# KiCad board tekskey-rounded.kicad_pcb (continued)
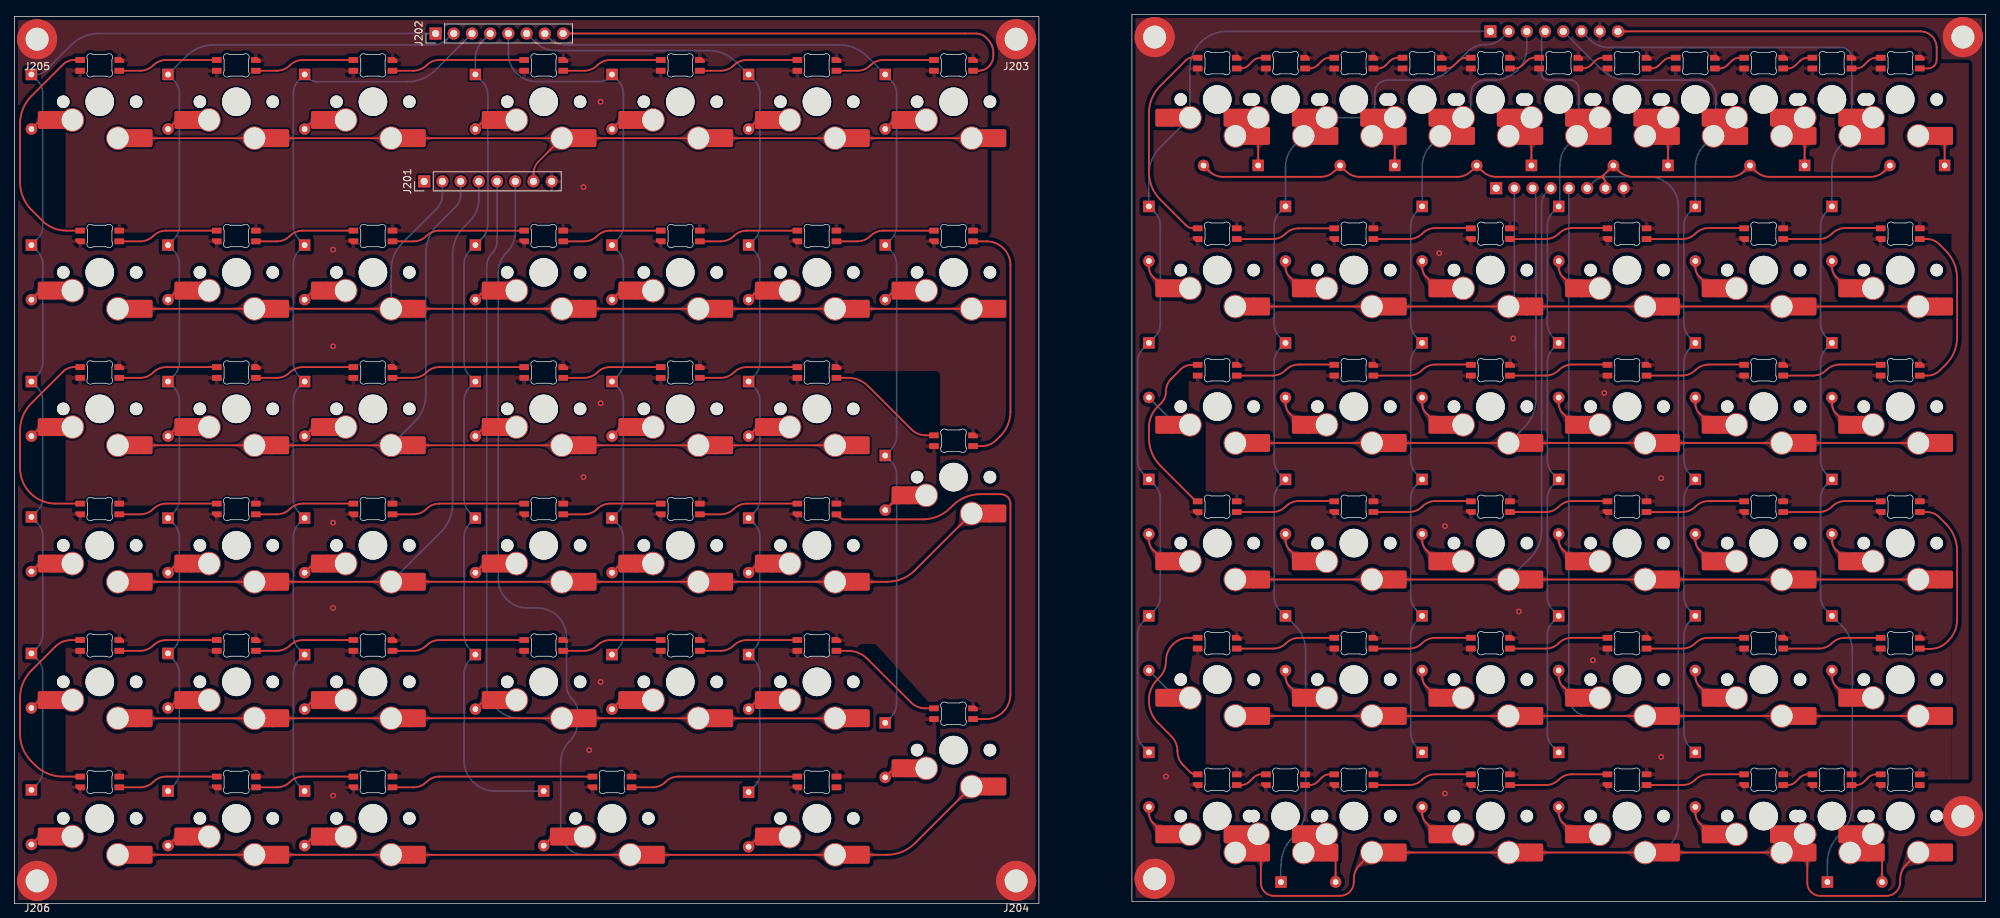
[diagram p0: board, top side]
## Nets (continued)
Net-(D111-Pad2): D111.2 SW111.1
Net-(D112-Pad2): D112.2 SW112.1
Net-(D113-Pad2): D113.2 SW113.1
Net-(D114-Pad2): D114.2 SW114.1
Net-(D115-Pad2): D115.2 SW115.1
Net-(D116-Pad2): D116.2 SW116.1
Net-(D117-Pad2): D117.2 SW117.1
Net-(D118-Pad2): D118.2 SW118.1
Net-(D119-Pad2): D119.2 SW119.1
Net-(D120-Pad2): D120.2 SW120.1
Net-(D121-Pad2): D121.2 SW121.1
Net-(D122-Pad2): D122.2 SW122.1
Net-(D123-Pad2): D123.2 SW123.1
Net-(D124-Pad2): D124.2 SW124.1
Net-(D125-Pad2): D125.2 SW125.1
Net-(D126-Pad2): D126.2 SW126.1
Net-(D127-Pad2): D127.2 SW127.1
Net-(D128-Pad2): D128.2 SW128.1
Net-(D129-Pad2): D129.2 SW129.1
Net-(D130-Pad2): D130.2 SW130.1
Net-(D131-Pad2): D131.2 SW131.1
Net-(D132-Pad2): D132.2 SW51B101.2 SW132.1
Net-(D133-Pad2): D133.2 SW133.1
Net-(D134-Pad2): D134.2 SW134.1
Net-(D135-Pad2): D135.2 SW135.1
Net-(D136-Pad2): D136.2 SW55B101.2 SW136.1
Net-(D201-Pad2): D201.2 SW201.1
Net-(D202-Pad2): D202.2 SW202.1
Net-(D203-Pad2): D203.2 SW203.1
Net-(D204-Pad2): D204.2 SW204.1
Net-(D205-Pad2): D205.2 SW205.1
Net-(D206-Pad2): D206.2 SW206.1
Net-(D207-Pad2): D207.2 SW207.1
Net-(D208-Pad2): D208.2 SW208.1
Net-(D209-Pad2): D209.2 SW209.1
Net-(D210-Pad2): D210.2 SW210.1
Net-(D211-Pad2): D211.2 SW211.1
Net-(D212-Pad2): D212.2 SW212.1
Net-(D213-Pad2): D213.2 SW213.1
Net-(D214-Pad2): D214.2 SW214.1
Net-(D215-Pad2): D215.2 SW215.1
Net-(D216-Pad2): D216.2 SW216.1
Net-(D217-Pad2): D217.2 SW217.1
Net-(D218-Pad2): D218.2 SW218.1
Net-(D219-Pad2): D219.2 SW219.1
Net-(D220-Pad2): D220.2 SW220.1
Net-(D221-Pad2): D221.2 SW221.1
Net-(D222-Pad2): D222.2 SW222.1
Net-(D223-Pad2): D223.2 SW223.1
Net-(D224-Pad2): D224.2 SW224.1
Net-(D225-Pad2): D225.2 SW225.1
Net-(D226-Pad2): D226.2 SW226.1
Net-(D227-Pad2): D227.2 SW227.1
Net-(D229-Pad2): D229.2 SW229.1
Net-(D230-Pad2): D230.2 SW230.1
Net-(D231-Pad2): D231.2 SW231.1
Net-(D232-Pad2): D232.2 SW232.1
Net-(D233-Pad2): D233.2 SW233.1
Net-(D234-Pad2): D234.2 SW234.1
Net-(D235-Pad2): D235.2 SW235.1
Net-(D236-Pad2): D236.2 SW236.1
Net-(D237-Pad2): D237.2 SW237.1
Net-(D238-Pad2): D238.2 SW238.1
Net-(D239-Pad2): D239.2 SW239.1
Net-(D241-Pad2): D241.2 SW241.1
Net-(LED0B101-Pad2): LED0B101.2 LED101.3
Net-(LED0B101-Pad3): LED0B101.3 LED102.2
Net-(LED101-Pad2): LED101.2 LED107.3
Net-(LED102-Pad3): LED1B101.2 LED102.3
Net-(LED103-Pad2): LED1B101.3 LED103.2
Net-(LED103-Pad3): LED2B101.2 LED103.3
Net-(LED104-Pad2): LED2B101.3 LED104.2
Net-(LED104-Pad3): LED3B101.2 LED104.3
Net-(LED105-Pad2): LED3B101.3 LED105.2
Net-(LED105-Pad3): LED4B101.2 LED105.3
Net-(LED106-Pad2): LED4B101.3 LED106.2
Net-(LED107-Pad2): LED107.2 LED108.3
Net-(LED108-Pad2): LED108.2 LED109.3
Net-(LED109-Pad2): LED109.2 LED110.3
Net-(LED110-Pad2): LED110.2 LED111.3
Net-(LED111-Pad2): LED111.2 LED112.3
Net-(LED112-Pad2): LED112.2 LED118.3
Net-(LED113-Pad2): LED113.2 LED119.3
Net-(LED113-Pad3): LED113.3 LED114.2
Net-(LED114-Pad3): LED114.3 LED115.2
Net-(LED115-Pad3): LED115.3 LED116.2
Net-(LED116-Pad3): LED116.3 LED117.2
Net-(LED117-Pad3): LED117.3 LED118.2
Net-(LED119-Pad2): LED119.2 LED120.3
Net-(LED120-Pad2): LED120.2 LED121.3
Net-(LED121-Pad2): LED121.2 LED122.3
Net-(LED122-Pad2): LED122.2 LED123.3
Net-(LED123-Pad2): LED123.2 LED124.3
Net-(LED124-Pad2): LED124.2 LED130.3
Net-(LED125-Pad2): LED125.2 LED131.3
Net-(LED125-Pad3): LED125.3 LED126.2
Net-(LED126-Pad3): LED126.3 LED127.2
Net-(LED127-Pad3): LED127.3 LED128.2
Net-(LED128-Pad3): LED128.3 LED129.2
Net-(LED129-Pad3): LED129.3 LED130.2
Net-(LED131-Pad2): LED131.2 LED132.3
Net-(LED132-Pad2): LED132.2 LED133.3
Net-(LED133-Pad2): LED133.2 LED134.3
Net-(LED134-Pad2): LED134.2 LED135.3
Net-(LED135-Pad2): LED135.2 LED136.3
Net-(LED136-Pad2): LED136.2 LED137.3
Net-(LED137-Pad2): LED137.2 LED138.3
Net-(LED201-Pad2): LED201.2 LED208.3
Net-(LED201-Pad3): LED201.3 LED202.2
Net-(LED202-Pad3): LED202.3 LED203.2
Net-(LED203-Pad3): LED203.3 LED204.2
Net-(LED204-Pad3): LED204.3 LED205.2
Net-(LED205-Pad3): LED205.3 LED206.2
Net-(LED206-Pad3): LED206.3 LED207.2
Net-(LED208-Pad2): LED208.2 LED209.3
Net-(LED209-Pad2): LED209.2 LED210.3
Net-(LED210-Pad2): LED210.2 LED211.3
Net-(LED211-Pad2): LED211.2 LED212.3
Net-(LED212-Pad2): LED212.2 LED213.3
Net-(LED213-Pad2): LED213.2 LED214.3
Net-(LED214-Pad2): LED214.2 LED221.3
Net-(LED215-Pad2): LED215.2 LED222.3
Net-(LED215-Pad3): LED215.3 LED216.2
Net-(LED216-Pad3): LED216.3 LED217.2
Net-(LED217-Pad3): LED217.3 LED218.2
Net-(LED218-Pad3): LED218.3 LED219.2
Net-(LED219-Pad3): LED219.3 LED220.2
Net-(LED220-Pad3): LED220.3 LED221.2
Net-(LED222-Pad2): LED222.2 LED223.3
Net-(LED223-Pad2): LED223.2 LED224.3
Net-(LED224-Pad2): LED224.2 LED225.3
Net-(LED225-Pad2): LED225.2 LED226.3
Net-(LED226-Pad2): LED226.2 LED227.3
Net-(LED227-Pad2): LED227.2 LED235.3
Net-(LED229-Pad2): LED229.2 LED236.3
Net-(LED229-Pad3): LED229.3 LED230.2
Net-(LED230-Pad3): LED230.3 LED231.2
Net-(LED231-Pad3): LED231.3 LED232.2
Net-(LED232-Pad3): LED232.3 LED233.2
Net-(LED233-Pad3): LED233.3 LED234.2
Net-(LED234-Pad3): LED234.3 LED235.2
Net-(LED236-Pad2): LED236.2 LED237.3
Net-(LED237-Pad2): LED237.2 LED238.3
Net-(LED238-Pad2): LED238.2 LED239.3
Net-(LED239-Pad2): LED239.2 LED241.3

Pads without a net: LED138 2; LED241 2

## Via types
v1: diameter 0.8, hole 0.4, Top to Bottom, 21 vias

## Routing (per net, layer and track width the routed paths; a pad name or vN(x,y) marks a point on that pad's centre or on a via; arc(x,y) is an arc through that point)
+5V:
  vias: v1(220.13,33.97) v1(221.72,71.28) v1(229.65,59.37) v1(229.65,20.48)
+5VA:
  vias: v1(79.38,100.01) v1(79.38,59.53) v1(80.17,21.43) v1(81.76,111.92) v1(81.76,69.85) v1(81.76,30.96)
GND:
  vias: v1(160.6,17.76) v1(198.7,90.78) v1(199.5,52.68) v1(199.5,15.38) v1(209.02,78.88) v1(209.81,40.78)
GND1:
  vias: v1(44.45,91.28) v1(44.45,77.79) v1(44.45,53.18) v1(44.45,41.27) v1(44.45,15.08)
col0: length 146.8
  Bottom w0.25: D131.1 157.42,21.91 arc(156.84,22.78) 156.63,23.82 156.63,37.46 arc(156.84,38.5) 157.42,39.37 D125.1 159.01,40.96 arc(159.6,41.84) 159.8,42.87 159.8,56.5 arc(159.6,57.54) 159.01,58.42 157.42,60.01 arc(156.84,60.88) 156.63,61.92 156.63,75.56 arc(156.84,76.6) 157.42,77.47 159.01,79.06 arc(159.6,79.94) 159.8,80.97 159.8,94.6 arc(159.6,95.64) 159.01,96.52 D107.1 158.22,101.73 arc(158.63,103.81) 159.81,105.58 163.93,109.7 163.93,116.58 arc(164.32,118.56) 165.44,120.23 arc(167.11,121.35) 169.09,121.74 J102.1
col1: length 148.3
  Top w1: 180.12,109.7 182.66,107.16
  Bottom w0.25: D132.1 176.63,5.36 arc(177.05,7.44) 178.23,9.21 178.48,9.46 arc(179.66,11.23) 180.07,13.31 180.07,35.37 arc(179.71,37.21) 178.67,38.76 D126.1 176.47,40.96 arc(175.89,41.84) 175.68,42.87 175.68,56.5 arc(175.89,57.54) 176.47,58.42 D120.1 176.47,60.01 arc(175.89,60.89) 175.68,61.92 175.68,75.55 arc(175.89,76.59) 176.47,77.47 arc(176.8,78.26) 176.47,79.06 arc(175.89,79.94) 175.68,80.97 175.68,94.6 arc(175.89,95.64) 176.47,96.52 D108.1 177.27,102.82 arc(177.6,104.48) 178.54,105.89 SW1B101.2 182.35,109.7 ; J102.2 207.46,120.82 arc(206.44,120.14) 205.24,119.9 205.1,119.9 arc(203.77,119.64) 202.65,118.88 200.29,116.53 arc(198.53,115.35) 196.44,114.94 191.5,114.94 arc(190.82,114.8) 190.24,114.41 arc(189.85,113.84) 189.72,113.16 189.72,111.44 arc(189.59,110.77) 189.21,110.21 arc(188.64,109.83) 187.97,109.7 SW102.1
col2: length 114.4
  Top w1: 201.71,107.16 199.17,109.7
  Bottom w0.25: D133.1 195.52,21.91 arc(194.94,22.79) 194.73,23.82 194.73,37.45 arc(194.94,38.49) 195.52,39.37 D127.1 195.52,40.96 arc(194.94,41.84) 194.73,42.87 194.73,56.5 arc(194.94,57.54) 195.52,58.42 D121.1 195.52,60.01 arc(194.94,60.89) 194.73,61.92 194.73,75.55 arc(194.94,76.59) 195.52,77.47 D115.1 195.52,79.06 arc(194.94,79.94) 194.73,80.97 194.73,94.6 arc(194.94,95.64) 195.52,96.52 D109.1 196.32,102.82 arc(196.65,104.48) 197.59,105.89 SW2B101.2 201.4,109.7 ; J102.3 210.92,119.54 arc(210.57,117.78) 209.57,116.28 arc(208.08,115.29) 206.31,114.94 205.07,114.94 arc(204.32,114.78) 203.67,114.36 arc(203.25,113.72) 203.1,112.96 203.1,110.76
col3: length 116.8
  Top w1: 220.76,107.16 218.22,109.7
  Bottom w0.25: D110.1 214.57,96.52 arc(213.99,95.64) 213.78,94.6 213.78,80.97 arc(213.99,79.94) 214.57,79.06 arc(214.9,78.26) 214.57,77.47 arc(213.99,76.59) 213.78,75.55 213.78,61.92 arc(213.99,60.89) 214.57,60.01 D122.1 214.57,58.42 arc(213.99,57.54) 213.78,56.5 213.78,42.87 arc(213.99,41.84) 214.57,40.96 D128.1 214.57,39.37 arc(213.99,38.49) 213.78,37.45 213.78,23.82 arc(213.99,22.79) 214.57,21.91 D134.1 ; 219.89,109.14 218.78,108.03 ; 219.89,109.14 220.45,109.7 ; 219.89,109.14 arc(219.34,108.91) 218.78,109.14 ; 218.78,108.03 216.72,105.97 arc(215.84,104.65) 215.53,103.1 215.53,97.48 ; 218.78,108.03 arc(219.01,108.58) 218.78,109.14 ; 218.78,109.14 218.75,109.17 arc(218.32,109.82) 218.17,110.58 218.17,113.68 arc(218.07,114.18) 217.79,114.6 arc(217.36,114.88) 216.86,114.98 213.69,114.98 arc(213.42,115.03) 213.19,115.19 arc(213.04,115.41) 212.99,115.68 212.99,121.27
col4: length 127.2
  Top w1: 239.81,107.16 237.27,109.7
  Bottom w0.25: J102.5 221.21,116.53 arc(222.98,115.35) 225.06,114.94 235.1,114.94 arc(235.93,114.77) 236.64,114.3 arc(237.12,113.59) 237.28,112.75 237.28,107.48 ; D135.1 233.62,21.91 arc(233.04,22.79) 232.83,23.82 232.83,37.45 arc(233.04,38.49) 233.62,39.37 arc(233.95,40.16) 233.62,40.96 arc(233.04,41.84) 232.83,42.87 232.83,56.5 arc(233.04,57.54) 233.62,58.42 arc(233.95,59.21) 233.62,60.01 arc(233.04,60.89) 232.83,61.92 232.83,75.55 arc(233.04,76.59) 233.62,77.47 arc(233.95,78.26) 233.62,79.06 arc(233.04,79.94) 232.83,80.97 232.83,94.6 arc(233.04,95.64) 233.62,96.52 arc(234.21,97.4) 234.42,98.44 234.42,102.82 arc(234.75,104.48) 235.69,105.89 SW4B101.2 239.5,109.7
col5: length 167.2
  Top w1: 258.86,107.16 256.32,109.7
  Bottom w0.25: J102.6 219.66,120.62 arc(220.9,119.79) 222.37,119.5 254.65,119.5 arc(255.27,119.38) 255.79,119.03 arc(256.14,118.5) 256.26,117.88 256.26,107.41 ; D136.1 252.83,5.68 arc(253.25,7.77) 254.43,9.53 254.7,9.81 arc(255.88,11.57) 256.29,13.66 256.29,35.33 arc(255.93,37.18) 254.88,38.75 252.67,40.96 arc(252.09,41.84) 251.88,42.87 251.88,56.5 arc(252.09,57.54) 252.67,58.42 D124.1 252.67,60.01 arc(252.09,60.89) 251.88,61.92 251.88,75.55 arc(252.09,76.59) 252.67,77.47 D118.1 252.67,79.06 arc(252.09,79.94) 251.88,80.97 251.88,94.6 arc(252.09,95.64) 252.67,96.52 D112.1 253.47,102.82 arc(253.8,104.48) 254.74,105.89 SW5B101.2 258.55,109.7
LEDIN: length 50.5
  Top w0.25: J102.8 265.81,121.74 arc(266.68,121.57) 267.41,121.08 arc(267.9,120.35) 268.07,119.48 268.07,117.8 arc(267.98,117.33) 267.71,116.93 arc(267.31,116.66) 266.84,116.57 LED106.3
ncol0: length 162.7
  Bottom w0.25: D236.1 3.18,16.67 arc(3.76,17.55) 3.97,18.59 3.97,32.21 arc(3.76,33.25) 3.18,34.13 D229.1 3.18,35.72 arc(3.76,36.6) 3.97,37.64 3.97,51.26 arc(3.76,52.3) 3.18,53.18 arc(2.85,53.97) 3.18,54.77 arc(3.76,55.65) 3.97,56.69 3.97,70.16 arc(3.76,71.19) 3.18,72.07 arc(2.85,72.87) 3.18,73.66 arc(3.76,74.54) 3.97,75.58 3.97,89.21 arc(3.76,90.24) 3.18,91.12 D208.1 3.18,92.71 arc(3.76,93.59) 3.97,94.63 3.97,113.02 arc(3.76,114.06) 3.18,114.94 D201.1 3.1,115.73 arc(3.76,115.86) 4.32,116.23 7.93,119.85 arc(9.7,121.03) 11.78,121.44 J202.1
ncol1: length 147.1
  Bottom w0.25: D237.1 22.23,16.51 arc(22.81,17.39) 23.02,18.43 23.02,32.06 arc(22.81,33.09) 22.23,33.97 21.43,34.77 22.23,35.56 arc(22.81,36.44) 23.02,37.48 23.02,51.11 arc(22.81,52.14) 22.23,53.02 D223.1 22.23,54.61 arc(22.81,55.49) 23.02,56.53 23.02,70.16 arc(22.81,71.19) 22.23,72.07 D216.1 22.23,73.66 arc(22.81,74.54) 23.02,75.58 23.02,89.21 arc(22.81,90.24) 22.23,91.12 D209.1 22.23,92.71 arc(22.81,93.59) 23.02,94.63 23.02,113.02 arc(22.81,114.06) 22.23,114.94 D202.1 23.96,118.26 arc(25.73,119.44) 27.81,119.86 58.41,119.86 arc(59.45,120.06) 60.33,120.65 61.12,121.44
ncol2: length 130.2
  Bottom w0.25: D238.1 39.69,16.51 arc(39.1,17.39) 38.89,18.43 38.89,32.06 arc(39.1,33.09) 39.69,33.97 D231.1 39.69,35.56 arc(39.1,36.44) 38.89,37.48 38.89,51.11 arc(39.1,52.14) 39.69,53.02 arc(40.02,53.82) 39.69,54.61 arc(39.1,55.49) 38.89,56.53 38.89,70.16 arc(39.1,71.19) 39.69,72.07 arc(40.02,72.87) 39.69,73.66 arc(39.1,74.54) 38.89,75.58 38.89,89.21 arc(39.1,90.24) 39.69,91.12 arc(40.02,91.92) 39.69,92.71 arc(39.1,93.59) 38.89,94.63 38.89,113.02 arc(39.1,114.06) 39.69,114.94 D203.1 40.99,115.22 arc(41.55,114.84) 42.22,114.71 54.83,114.71 arc(56.91,115.13) 58.68,116.3 J202.3
ncol3: length 119.7
  Bottom w0.25: D239.1 67.04,15.72 arc(65.38,16.05) 63.98,16.99 arc(63.04,18.39) 62.71,20.05 62.71,32.06 arc(62.91,33.09) 63.5,33.97 arc(63.83,34.77) 63.5,35.56 arc(62.91,36.44) 62.71,37.48 62.71,51.11 arc(62.91,52.14) 63.5,53.02 arc(63.83,53.82) 63.5,54.61 arc(62.91,55.49) 62.71,56.53 62.71,70.16 arc(62.91,71.19) 63.5,72.07 D218.1 63.5,73.66 arc(62.91,74.54) 62.71,75.58 62.71,89.21 arc(62.91,90.24) 63.5,91.12 65.16,92.78 arc(65.8,93.74) 66.02,94.87 66.02,112.77 arc(65.8,113.9) 65.16,114.86 D204.1 64.29,117.92 arc(64.56,119.27) 65.33,120.41 J202.4
ncol4: length 103.7
  Bottom w0.25: J202.5 68.9,118.67 arc(69.2,117.16) 70.05,115.88 arc(71.33,115.02) 72.84,114.72 81.63,114.72 arc(82.28,114.85) 82.84,115.23 D205.1 84.14,114.94 arc(84.72,114.06) 84.93,113.02 84.93,94.63 arc(84.72,93.59) 84.14,92.71 arc(83.81,91.92) 84.14,91.12 arc(84.72,90.24) 84.93,89.21 84.93,75.58 arc(84.72,74.54) 84.14,73.66 arc(83.81,72.87) 84.14,72.07 arc(84.72,71.19) 84.93,70.16 84.93,56.53 arc(84.72,55.49) 84.14,54.61 arc(83.81,53.82) 84.14,53.02 arc(84.72,52.14) 84.93,51.11 84.93,37.48 arc(84.72,36.44) 84.14,35.56 D233.1
ncol5: length 137
  Bottom w0.25: D241.1 103.19,16.35 arc(103.77,17.23) 103.98,18.27 103.98,32.06 arc(103.77,33.09) 103.19,33.97 arc(102.86,34.77) 103.19,35.56 arc(103.77,36.44) 103.98,37.48 103.98,51.11 arc(103.77,52.14) 103.19,53.02 arc(102.86,53.82) 103.19,54.61 arc(103.77,55.49) 103.98,56.53 103.98,70.16 arc(103.77,71.19) 103.19,72.07 arc(102.86,72.87) 103.19,73.66 arc(103.77,74.54) 103.98,75.58 103.98,89.21 arc(103.77,90.24) 103.19,91.12 D213.1 103.19,92.71 arc(103.77,93.59) 103.98,94.63 103.98,113.02 arc(103.77,114.06) 103.19,114.94 D206.1 100.65,117.47 arc(98.89,118.65) 96.81,119.06 75.5,119.06 arc(73.95,119.37) 72.63,120.25 J202.6
ncol6: length 142.3
  Bottom w0.25: J202.7 74.77,120.65 arc(75.65,120.06) 76.69,119.86 115.06,119.86 arc(117.14,119.44) 118.91,118.26 D207.1 122.24,114.94 arc(122.82,114.06) 123.03,113.02 123.03,94.63 arc(122.82,93.59) 122.24,92.71 arc(121.91,91.92) 122.24,91.12 arc(122.82,90.24) 123.03,89.21 123.03,65.26 arc(122.82,64.22) 122.24,63.34 arc(121.91,62.55) 122.24,61.75 arc(122.82,60.87) 123.03,59.84 123.03,27.95 arc(122.82,26.91) 122.24,26.03 D235.1
nLEDIN: length 66
  Top w0.25: LED207.3 134.5,116.25 arc(135.24,116.4) 135.87,116.82 135.91,116.86 arc(136.37,117.54) 136.52,118.34 136.52,118.73 arc(136.32,119.77) 135.73,120.65 135.5,120.88 arc(134.88,121.3) 134.14,121.44 J202.8
nrow0: length 105.3
  Top w0.25: J201.7 72.39,101.84 arc(72.58,102.79) 73.12,103.6 SW204.2 SW203.2 ; SW204.2 SW205.2 ; SW205.2 SW206.2 ; SW202.2 SW203.2 ; SW206.2 SW207.2 ; SW201.2 SW202.2
nrow1: length 117.4
  Top w0.25: SW214.2 SW213.2 ; SW209.2 SW208.2 ; SW210.2 SW209.2 ; SW213.2 SW212.2 ; SW212.2 SW211.2 ; SW211.2 SW210.2
  Bottom w0.25: SW210.2 52.55,88.39 arc(52.96,90.47) 54.14,92.24 58.9,97 arc(59.49,97.87) 59.69,98.9 59.69,100.01
nrow2: length 121.7
  Top w0.25: SW215.2 SW216.2 ; SW219.2 SW220.2 ; SW218.2 SW219.2 ; SW216.2 SW217.2 ; SW217.2 SW218.2
  Bottom w0.25: 62.23,100.01 62.23,98.98 arc(62.04,98.03) 61.5,97.22 58.98,94.7 arc(57.8,92.94) 57.39,90.85 57.39,71.07 arc(56.97,68.99) 55.79,67.22 SW217.2
nrow3: length 161
  Top w0.25: SW221.2 125.58,46.52 arc(123.81,45.34) 121.73,44.93 SW227.2 ; SW227.2 SW226.2 ; SW224.2 SW223.2 ; SW225.2 SW224.2 ; SW223.2 SW222.2 ; SW226.2 SW225.2
  Bottom w0.25: 64.77,100.01 64.77,98.27 arc(64.45,96.65) 63.54,95.29 62.71,94.46 arc(61.53,92.7) 61.12,90.61 61.12,55.75 arc(60.7,53.67) 59.52,51.9 SW224.2
nrow4: length 165.2
  Top w0.25: 18.01,25.86 33.48,25.86 ; 98.97,25.86 114.45,25.86 ; SW232.2 SW233.2 ; SW231.2 SW232.2 ; SW230.2 SW231.2
  Bottom w0.25: 67.31,100.01 67.31,92.45 arc(67.12,91.52) 66.6,90.73 arc(66.07,89.93) 65.88,89 65.88,30.48 arc(66.23,28.72) 67.23,27.23 arc(68.73,26.23) 70.49,25.88 SW232.2
nrow5: length 214.2
  Top w0.25: SW235.2 125.58,8.42 arc(123.81,7.24) 121.73,6.83 118.01,6.83 ; 18,6.83 33.5,6.83 ; 56.11,6.81 85.87,6.81 ; 37.05,6.83 52.55,6.83 ; 89.45,6.81 114.45,6.81
  Bottom w0.25: 69.85,100.01 69.85,93.76 arc(69.54,92.2) 68.66,90.88 arc(67.78,89.57) 67.47,88.01 67.47,45.34 arc(67.78,43.78) 68.66,42.47 arc(69.98,41.58) 71.53,41.27 72.93,41.27 arc(74.48,40.97) 75.8,40.08 arc(76.68,38.77) 76.99,37.21 76.99,30.49 arc(77.2,29.45) 77.79,28.57 arc(78.37,27.7) 78.58,26.66 78.58,25.5 arc(78.27,23.94) 77.39,22.62 arc(76.51,21.3) 76.2,19.75 76.2,10.08 arc(76.45,8.83) 77.15,7.78 arc(78.21,7.07) 79.45,6.83 85.88,6.83
row0: length 102.8
  Top w0.25: 221.64,101.68 D104.2 223.78,102.23 arc(224.66,101.65) 225.7,101.44 239.33,101.44 arc(240.36,101.65) 241.24,102.23 D105.2 242.83,102.23 arc(243.71,101.65) 244.75,101.44 258.85,101.44 arc(259.89,101.65) 260.77,102.23 D106.2 ; 221.64,101.68 arc(221.37,101.5) 221.06,101.44 ; 221.64,101.68 arc(221.54,101.44) 221.64,101.2 ; D101.2 166.63,102.23 arc(167.51,101.65) 168.55,101.44 182.18,101.44 arc(183.21,101.65) 184.09,102.23 arc(184.89,102.56) 185.68,102.23 arc(186.56,101.65) 187.6,101.44 201.23,101.44 arc(202.26,101.65) 203.14,102.23 arc(203.94,102.56) 204.73,102.23 arc(205.61,101.65) 206.65,101.44 221.06,101.44 ; J101.7 221.88,100.63 arc(221.81,100.94) 221.64,101.2 ; 221.06,101.44 arc(221.37,101.38) 221.64,101.2
row1: length 93.2
  Top w0.25: SW110.2 211.93,83.34 ; SW112.2 SW111.2 ; SW109.2 SW108.2 ; SW108.2 SW107.2 ; 246.48,83.34 SW110.2
  Bottom w0.25: J101.2 209.18,84.14
row2: length 132.9
  Top w0.25: SW113.2 SW114.2 ; SW114.2 SW115.2 ; 211.93,64.29 SW116.2 ; SW116.2 246.48,64.29 ; SW117.2 SW118.2
  Bottom w0.25: 212.17,77.64 212.17,99.4 ; 212.17,77.64 212.17,74.13 ; 212.17,77.64 arc(212.17,78.23) 212.17,78.81 ; 212.17,74.13 212.17,78.81 ; 212.17,74.13 212.17,70.34 arc(211.76,68.26) 210.58,66.49 SW115.2 ; 212.17,78.81 212.17,91.88 arc(212.17,91.9) 212.18,91.91 212.19,91.92
row3: length 134.2
  Top w0.25: SW124.2 SW123.2 ; SW120.2 SW121.2 ; SW122.2 211.93,45.24 ; SW120.2 SW119.2 ; 246.48,45.24 SW122.2
  Bottom w0.25: J101.4 213.62,99.22 arc(213.15,98.52) 212.99,97.69 212.99,52.1 arc(212.57,50.02) 211.39,48.25 SW121.2
row4: length 160.6
  Top w0.25: SW125.2 SW126.2 ; SW126.2 SW127.2 ; SW128.2 246.48,26.19 ; 211.93,26.19 SW128.2 ; SW129.2 SW130.2
  Bottom w0.25: SW128.2 219.51,26.19 arc(218.47,26.4) 217.59,26.99 arc(217,27.87) 216.8,28.9 J101.5
row5: length 217
  Top w0.25: 211.93,7.14 SW134.2 ; SW134.2 246.48,7.14 ; SW132.2 187.63,5.45 arc(187.01,4.51) 186.79,3.41 186.79,3.02 arc(186.64,2.28) 186.23,1.66 arc(185.6,1.24) 184.86,1.09 175.64,1.09 arc(174.95,1.23) 174.36,1.62 arc(173.97,2.21) 173.83,2.9 SW131.2 ; SW136.2 263.83,5.45 arc(263.21,4.51) 262.99,3.41 262.99,3.02 arc(262.84,2.28) 262.43,1.66 arc(261.8,1.24) 261.06,1.09 251.84,1.09 arc(251.15,1.23) 250.56,1.62 arc(250.17,2.21) 250.03,2.9 SW135.2 ; SW132.2 SW133.2
  Top w1: 173.14,7.14 171.63,8.65
  Top w2: 249.34,7.14 246.8,9.68
  Bottom w0.25: J101.6 220.13,100.65 arc(221.01,101.23) 222.05,101.44 227.97,101.44 arc(229.53,101.13) 230.84,100.25 arc(231.73,98.93) 232.03,97.38 232.03,10.94 arc(231.75,9.49) 230.92,8.25 230.65,7.99 arc(229.72,7.36) 228.62,7.14 SW134.2 ; 246.48,7.14 249.02,9.68 ; SW131.2 172.82,9.68
Net-(D101-Pad1): length 11
  Top w0.25: D101.1 173.46,106.84
  Top w1: 173.14,107.16 170.6,109.7
  Bottom w0.25: SW101.2 172.82,109.7
Net-(D102-Pad1): length 11
  Top w0.25: 192.51,106.84 D102.1
  Top w1: 192.51,106.84 190.68,108.66 SW2B101.1
  Bottom w0.25: SW102.2 191.87,109.7
Net-(D103-Pad1): length 11
  Top w0.25: 211.56,106.84 D103.1
  Top w1: 211.56,106.84 209.73,108.66 SW3B101.1
  Bottom w0.25: SW103.2 210.92,109.7
Net-(D104-Pad1): length 11
  Top w0.25: 230.61,106.84 D104.1
  Top w1: 230.61,106.84 228.78,108.66 SW4B101.1
  Bottom w0.25: SW104.2 229.97,109.7
Net-(D105-Pad1): length 11
  Top w0.25: 249.66,106.84 D105.1
  Top w1: 249.66,106.84 247.83,108.66 SW5B101.1
  Bottom w0.25: 246.48,107.16 249.02,109.7
Net-(D106-Pad1): length 4
  Top w0.25: D106.1 269.18,107.05
Net-(D107-Pad2): length 4.6
  Top w0.25: D107.2 158.22,88.87 arc(158.37,88.11) 158.8,87.47 SW107.1
Net-(D108-Pad2): length 4.6
  Top w0.25: SW108.1 177.85,87.47 arc(177.42,88.11) 177.27,88.87 D108.2
Net-(D109-Pad2): length 4.6
  Top w0.25: SW109.1 196.9,87.47 arc(196.47,88.11) 196.32,88.87 D109.2
Net-(D110-Pad2): length 4.6
  Top w0.25: SW110.1 215.95,87.47 arc(215.52,88.11) 215.37,88.87 D110.2
Net-(D111-Pad2): length 4.6
  Top w0.25: 236.58,85.88 235,87.47 arc(234.57,88.11) 234.42,88.87 D111.2
Net-(D112-Pad2): length 4.6
  Top w0.25: SW112.1 254.05,87.47 arc(253.62,88.11) 253.47,88.87 D112.2
Net-(D113-Pad2): length 7.2
  Bottom w0.25: D113.2 161.35,67.51 arc(162.1,67.01) 162.98,66.83 163.93,66.83
Net-(D114-Pad2): length 4.6
  Top w0.25: D114.2 177.27,69.82 arc(177.42,69.06) 177.85,68.42 SW114.1
Net-(D115-Pad2): length 4.6
  Top w0.25: SW115.1 196.9,68.42 arc(196.47,69.06) 196.32,69.82 D115.2
Net-(D116-Pad2): length 4.6
  Top w0.25: D116.2 215.37,69.82 arc(215.52,69.06) 215.95,68.42 SW116.1
Net-(D117-Pad2): length 4.6
  Top w0.25: 236.58,66.83 235,68.42 arc(234.57,69.06) 234.42,69.82 D117.2
Net-(D118-Pad2): length 4.6
  Top w0.25: SW118.1 254.05,68.42 arc(253.62,69.06) 253.47,69.82 D118.2
Net-(D119-Pad2): length 4.6
  Top w0.25: D119.2 158.22,50.77 arc(158.37,50.01) 158.8,49.37 SW119.1
Net-(D120-Pad2): length 4.6
  Top w0.25: SW120.1 177.85,49.37 arc(177.42,50.01) 177.27,50.77 D120.2
Net-(D121-Pad2): length 4.6
  Top w0.25: SW121.1 196.9,49.37 arc(196.47,50.01) 196.32,50.77 D121.2
Net-(D122-Pad2): length 4.6
  Top w0.25: SW122.1 215.95,49.37 arc(215.52,50.01) 215.37,50.77 D122.2
Net-(D123-Pad2): length 4.6
  Top w0.25: D123.2 234.42,50.77 arc(234.57,50.01) 235,49.37 236.58,47.78
Net-(D124-Pad2): length 4.6
  Top w0.25: SW124.1 254.05,49.37 arc(253.62,50.01) 253.47,50.77 D124.2
Net-(D125-Pad2): length 7.2
  Bottom w0.25: D125.2 161.35,29.41 arc(162.1,28.91) 162.98,28.73 163.93,28.73
Net-(D126-Pad2): length 4.6
  Top w0.25: SW126.1 177.85,30.32 arc(177.42,30.96) 177.27,31.72 D126.2
Net-(D127-Pad2): length 4.6
  Top w0.25: SW127.1 196.9,30.32 arc(196.47,30.96) 196.32,31.72 D127.2
Net-(D128-Pad2): length 4.6
  Top w0.25: SW128.1 215.95,30.32 arc(215.52,30.96) 215.37,31.72 D128.2
Net-(D129-Pad2): length 4.6
  Top w0.25: D129.2 234.42,31.72 arc(234.57,30.96) 235,30.32 236.58,28.73
Net-(D130-Pad2): length 4.6
  Top w0.25: SW130.1 254.05,30.32 arc(253.62,30.96) 253.47,31.72 D130.2
Net-(D131-Pad2): length 4.6
  Top w0.25: D131.2 158.22,12.67 arc(158.37,11.91) 158.8,11.27 SW131.1
Net-(D132-Pad2): length 9
  Top w0.25: 184.25,6.25 D132.2
  Top w1: 182.66,7.14 181.16,8.65
  Bottom w0.25: SW51B101.2 182.35,9.68
Net-(D133-Pad2): length 4.6
  Top w0.25: D133.2 196.32,12.67 arc(196.47,11.91) 196.9,11.27 SW133.1
Net-(D134-Pad2): length 4.6
  Top w0.25: D134.2 215.37,12.67 arc(215.52,11.91) 215.95,11.27 SW134.1
Net-(D135-Pad2): length 4.6
  Top w0.25: D135.2 234.42,12.67 arc(234.57,11.91) 235,11.27 236.58,9.68
Net-(D136-Pad2): length 10.4
  Top w0.25: 260.45,6.25 D136.2
  Top w1: 258.86,7.14 256.32,9.68
  Bottom w0.25: SW55B101.2 258.55,9.68
Net-(D201-Pad2): length 1.8
  Top w0.25: D201.2 3.65,109.38
Net-(D202-Pad2): length 1.8
  Top w0.25: D202.2 22.7,109.38
Net-(D203-Pad2): length 1.8
  Top w0.25: D203.2 41.75,109.38
Net-(D204-Pad2): length 1.8
  Top w0.25: D204.2 65.56,109.38
Net-(D205-Pad2): length 1.8
  Top w0.25: D205.2 84.61,109.38
Net-(D206-Pad2): length 1.8
  Top w0.25: D206.2 103.66,109.38
Net-(D207-Pad2): length 1.8
  Top w0.25: D207.2 122.71,109.38
Net-(D208-Pad2): length 1.8
  Top w0.25: D208.2 3.65,85.57
Net-(D209-Pad2): length 1.8
  Top w0.25: D209.2 22.7,85.57
Net-(D210-Pad2): length 1.8
  Top w0.25: D210.2 41.75,85.57
Net-(D211-Pad2): length 1.8
  Top w0.25: D211.2 65.56,85.57
Net-(D212-Pad2): length 1.8
  Top w0.25: D212.2 84.61,85.57
Net-(D213-Pad2): length 1.8
  Top w0.25: D213.2 103.66,85.57
Net-(D214-Pad2): length 2.6
  Top w0.25: SW214.1 123.16,85.57 arc(122.75,85.48) 122.4,85.25 D214.2
Net-(D215-Pad2): length 1.8
  Top w0.25: D215.2 3.65,66.52
Net-(D216-Pad2): length 1.8
  Top w0.25: D216.2 22.7,66.52
Net-(D217-Pad2): length 1.8
  Top w0.25: D217.2 41.75,66.52
Net-(D218-Pad2): length 1.8
  Top w0.25: D218.2 65.56,66.52
Net-(D219-Pad2): length 1.8
  Top w0.25: D219.2 84.61,66.52
Net-(D220-Pad2): length 1.8
  Top w0.25: D220.2 103.66,66.52
Net-(D221-Pad2): length 1.8
  Top w0.25: D221.2 122.71,56.2
Net-(D222-Pad2): length 1.6
  Top w0.25: D222.2 3.49,47.47
Net-(D223-Pad2): length 1.8
  Top w0.25: D223.2 22.7,47.47
Net-(D224-Pad2): length 1.8
  Top w0.25: D224.2 41.75,47.47
Net-(D225-Pad2): length 1.8
  Top w0.25: D225.2 65.56,47.47
Net-(D226-Pad2): length 1.8
  Top w0.25: D226.2 84.61,47.47
Net-(D227-Pad2): length 1.8
  Top w0.25: D227.2 103.66,47.47
Net-(D229-Pad2): length 1.6
  Top w0.25: D229.2 3.49,28.42
Net-(D230-Pad2): length 1.8
  Top w0.25: 21.43,27.15 22.7,28.42
Net-(D231-Pad2): length 1.8
  Top w0.25: D231.2 41.75,28.42
Net-(D232-Pad2): length 1.8
  Top w0.25: D232.2 65.56,28.42
Net-(D233-Pad2): length 1.8
  Top w0.25: D233.2 84.61,28.42
Net-(D234-Pad2): length 1.8
  Top w0.25: D234.2 103.66,28.42
Net-(D235-Pad2): length 1.8
  Top w0.25: D235.2 122.71,18.89
Net-(D236-Pad2): length 1.6
  Top w0.25: D236.2 3.49,9.37
Net-(D237-Pad2): length 1.8
  Top w0.25: D237.2 22.7,9.37
Net-(D238-Pad2): length 1.8
  Top w0.25: D238.2 41.75,9.37
Net-(D239-Pad2): length 1.8
  Top w0.25: D239.2 75.09,9.37
Net-(D241-Pad2): length 2
  Top w0.25: D241.2 103.82,9.37
Net-(LED0B101-Pad2): length 4.6
  Top w0.25: LED0B101.2 173.85,118.07 arc(173.22,117.94) 172.68,117.58 172.09,116.99 arc(171.62,116.68) 171.07,116.57 LED101.3
Net-(LED0B101-Pad3): length 4.6
  Top w0.25: LED0B101.3 180.63,116.57 arc(181.23,116.68) 181.73,117.02 182.32,117.61 arc(182.83,117.95) 183.42,118.07 LED102.2
Net-(LED101-Pad2): length 30.3
  Top w0.25: LED107.3 164.42,94.25 arc(163.86,94.36) 163.39,94.68 159.81,98.26 arc(158.63,100.03) 158.22,102.11 158.22,110.3 arc(158.63,112.38) 159.81,114.15 163.35,117.69 arc(163.82,118) 164.37,118.11 164.97,118.11
Net-(LED102-Pad3): length 4.6
  Top w0.25: LED102.3 190.16,116.57 arc(190.75,116.68) 191.26,117.02 191.85,117.61 arc(192.35,117.95) 192.95,118.07 LED1B101.2
Net-(LED103-Pad2): length 4.6
  Top w0.25: LED103.2 202.47,118.07 arc(201.88,117.95) 201.37,117.61 200.78,117.02 arc(200.28,116.68) 199.69,116.57 LED1B101.3
Net-(LED103-Pad3): length 4.6
  Top w0.25: LED103.3 209.21,116.57 arc(209.8,116.68) 210.31,117.02 210.9,117.61 arc(211.4,117.95) 212,118.07 LED2B101.2
Net-(LED104-Pad2): length 4.6
  Top w0.25: LED104.2 221.52,118.07 arc(220.93,117.95) 220.42,117.61 219.83,117.02 arc(219.33,116.68) 218.74,116.57 LED2B101.3
Net-(LED104-Pad3): length 4.6
  Top w0.25: LED104.3 228.26,116.57 arc(228.85,116.68) 229.36,117.02 229.95,117.61 arc(230.45,117.95) 231.05,118.07 LED3B101.2
Net-(LED105-Pad2): length 4.6
  Top w0.25: LED3B101.3 237.78,116.57 arc(238.38,116.68) 238.88,117.02 239.47,117.61 arc(239.98,117.95) 240.57,118.07 LED105.2
Net-(LED105-Pad3): length 4.6
  Top w0.25: LED4B101.2 250.1,118.07 arc(249.5,117.95) 249,117.61 248.41,117.02 arc(247.9,116.68) 247.31,116.57 LED105.3
Net-(LED106-Pad2): length 4.6
  Top w0.25: 256.19,116.57 256.84,116.57 arc(257.43,116.68) 257.93,117.02 258.52,117.61 arc(259.03,117.95) 259.62,118.07 LED106.2
Net-(LED107-Pad2): length 14
  Top w0.25: LED108.3 179.08,94.25 arc(178.1,94.06) 177.27,93.5 arc(176.44,92.95) 175.46,92.75 LED107.2
Net-(LED108-Pad2): length 14
  Top w0.25: LED108.2 194.47,92.75 arc(195.48,92.95) 196.34,93.53 arc(197.19,94.1) 198.2,94.3 203.07,94.3
Net-(LED109-Pad2): length 14
  Top w0.25: 222.12,94.3 217.25,94.3 arc(216.24,94.1) 215.39,93.53 arc(214.53,92.95) 213.52,92.75 LED109.2
Net-(LED110-Pad2): length 14
  Top w0.25: 241.17,94.3 236.3,94.3 arc(235.29,94.1) 234.44,93.53 arc(233.58,92.95) 232.57,92.75 LED110.2
Net-(LED111-Pad2): length 14
  Top w0.25: LED111.2 251.62,92.75 arc(252.63,92.95) 253.49,93.53 arc(254.34,94.1) 255.35,94.3 260.22,94.3
Net-(LED112-Pad2): length 25.1
  Top w0.25: LED112.2 266.71,92.75 arc(267.63,92.57) 268.41,92.05 269.33,91.13 arc(270.51,89.36) 270.93,87.28 270.93,79.05 arc(270.52,77) 269.36,75.27 268.53,74.44 arc(267.72,73.89) 266.76,73.7 LED118.3
Net-(LED113-Pad2): length 24.9
  Top w0.25: 164.78,56.15 159.81,61.12 arc(158.64,62.89) 158.22,64.97 158.22,66.47 arc(158.53,68.02) 159.41,69.34 159.9,69.82 arc(160.42,70.61) 160.6,71.53 arc(160.79,72.45) 161.31,73.23 162.66,74.59 arc(163.34,75.04) 164.15,75.2 LED113.2
